# Altium PCB RF-BPF.PcbDoc (part 1 of 3)
Units mm, origin at the board's own origin, x right, y up, seen from the top; angles counter-clockwise.
Board outline 170 x 77.5 mm, 2 copper layers (Top Layer, Top, Bottom Layer, Bottom), stack 1.671 mm thick; 222 components, 128 nets, 706 pads, 1611 vias.
Unrouted connection lines stored in the file: 29.
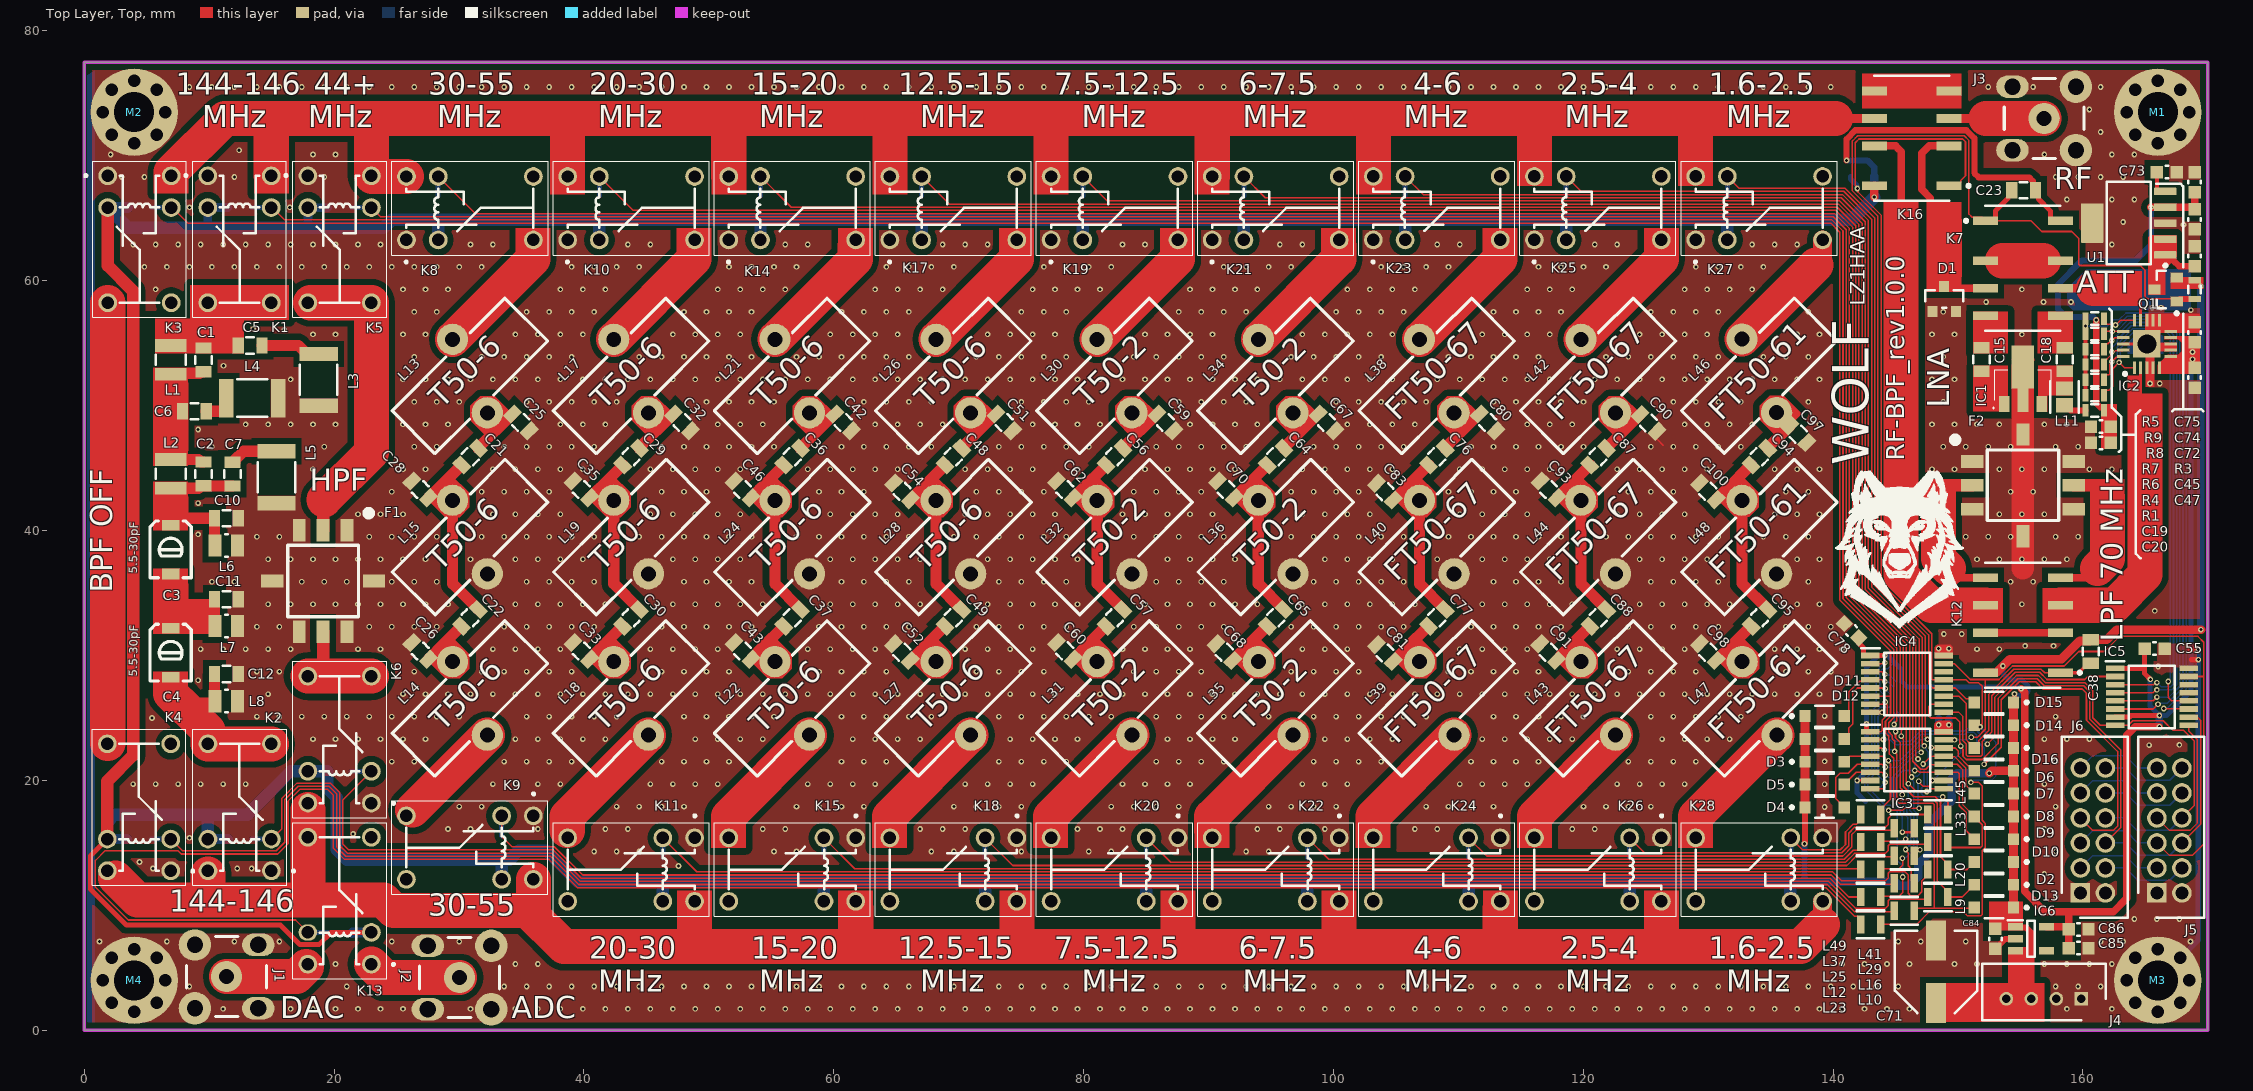
[diagram p0: Top Layer, Top view]
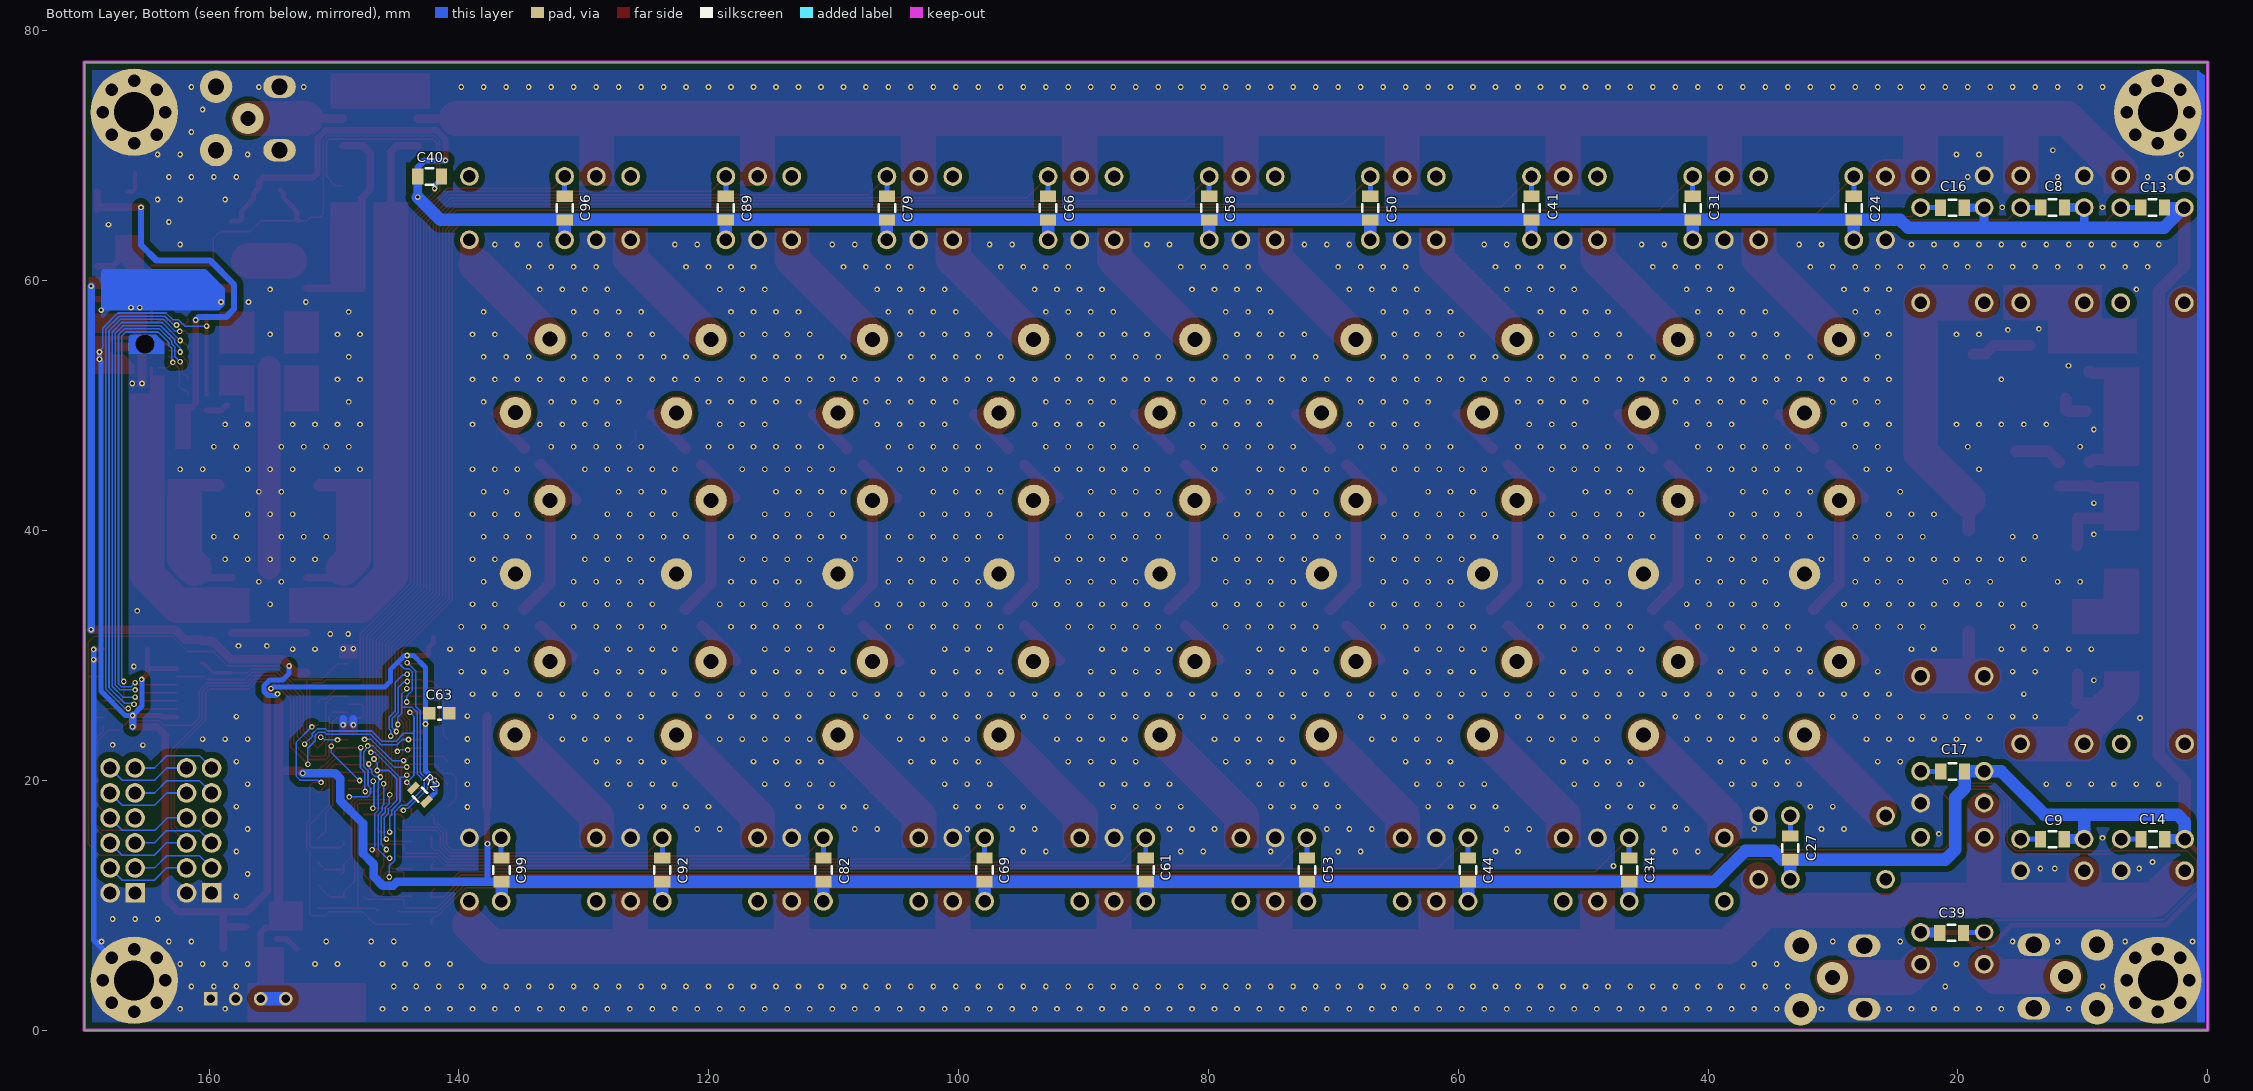
[diagram p1: Bottom Layer, Bottom view, seen from below]
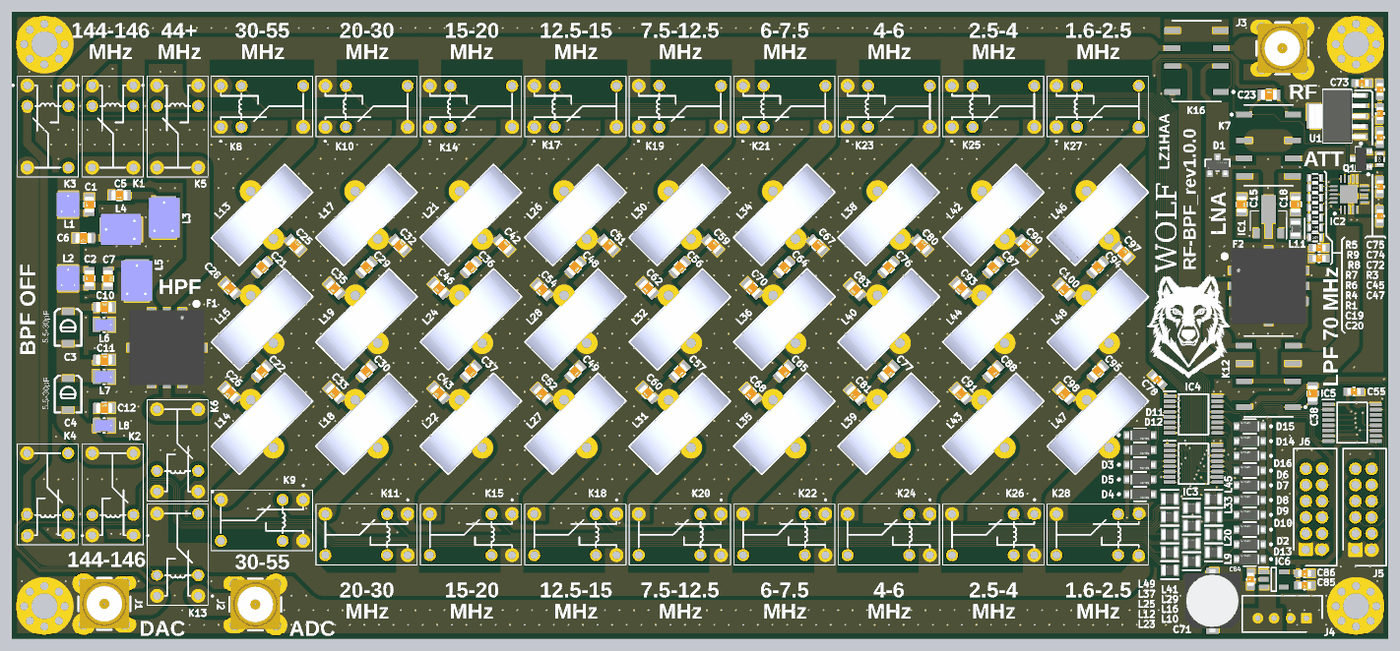
[diagram p4: 3D render of the assembled board from above, using the file's embedded part models]
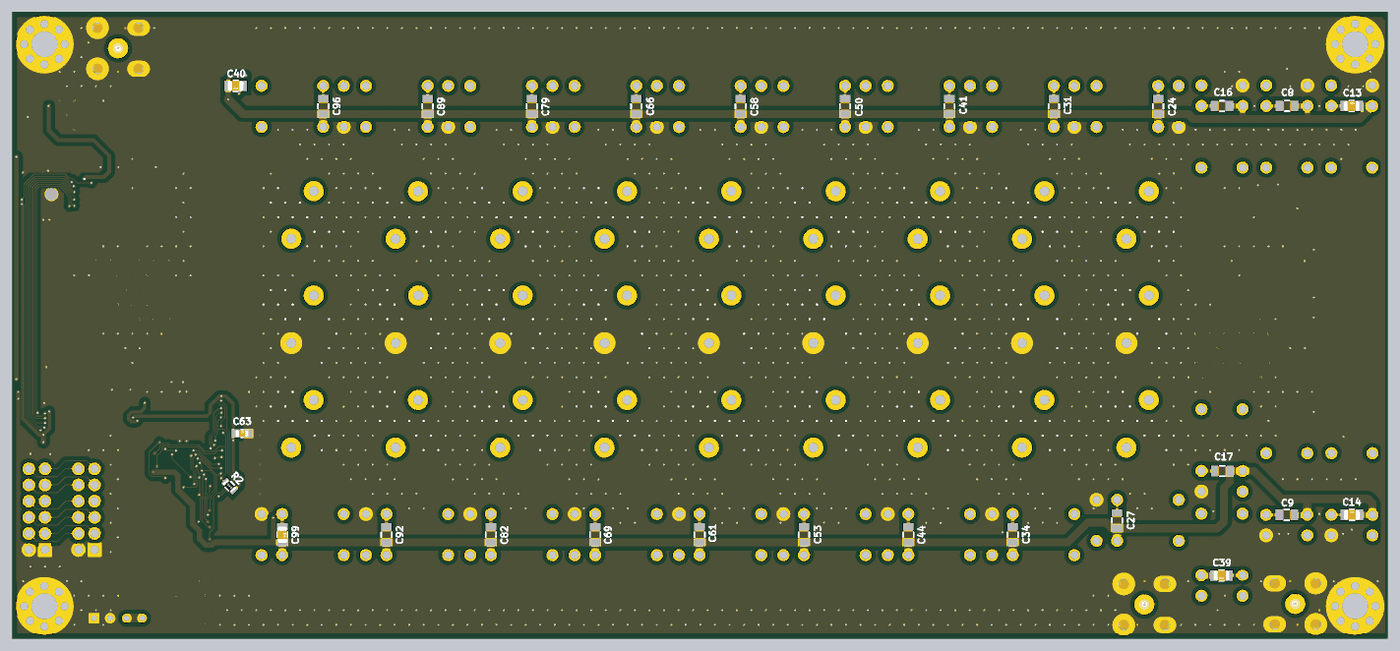
[diagram p5: 3D render of the assembled board from below, using the file's embedded part models]

## Layer stack, top to bottom
Top Solder, Top Mask: solder mask 0.0102, Solder Resist, Dk 3.5
Top Layer, Top: signal copper 0.0356
Dielectric 1: dielectric 1.6, FR-4, Dk 4.8
Bottom Layer, Bottom: signal copper 0.0356
Bottom Solder, Bot Mask: solder mask 0.0102, Solder Resist, Dk 3.5

## Board outline
0,0 0,77.5 170,77.5 170,0

## Design rules (kind name [scope] priority, off if disabled: settings)
Clearance Clearance_Poly [InPoly] p1: gap=0.5 ignorepadtopadclearanceinfootprint=FALSE
Clearance [All] p2: gap=0.127 ignorepadtopadclearanceinfootprint=FALSE
HoleSize [All] p1: absolutevalues=TRUE maxlimit=10 minlimit=0.025 maxpercent=80.000 minpercent=20.000
HoleToHoleClearance [All] p1: gap=0.2 allowstackedmicrovias=TRUE
MinimumSolderMaskSliver [All] p1: minsoldermaskwidth=0
PolygonConnect [All] p1: connectstyle=Direct reliefconductorwidth=0.254 reliefentries=4 polygonreliefangle="90 Angle" airgapwidth=0.254
ReturnPath [InNetClass('RF_SIGNAL_50ohm')] p1: impedanceprofileid={9F3362E4-BBA3-4DC3-A493-6D211F78E066} _gaplimit=0 _useantipads=TRUE
RoutingVias [All] p1: holewidth=0.25 width=0.45 viastyle="Through Hole" minholewidth=0.25 minwidth=0.45 maxholewidth=0.711 maxwidth=1.27
SilkToSilkClearance [All] p1: silktosilkclearance=0.2
SilkToSolderMaskClearance [IsPad] p1: minsilkscreentomaskgap=0.1 clearancetoexposedcopper=TRUE
SolderMaskExpansion [All] p1: expansion=0.102 istentingtop=FALSE
Width "Schematic Width Constraint_1" [InNetClass('RF_SIGNAL_50ohm')] p1: maxlimit=2.814 minlimit=0.127 preferedwidth=2.814 impedanceprofiledriven=TRUE impedanceprofileid={9F3362E4-BBA3-4DC3-A493-6D211F78E066} impedanceprofilevalue=50.000000 minimp=50.000000 maximp=50.000000 favimp=50.000000
Width [All] p2: maxlimit=5 minlimit=0.127 preferedwidth=0.127
25 further rules are at their usual default settings.

## Classes and differential pairs
net class RF_SIGNAL_50ohm: ADC BPF_IN BPF_OUT DAC NetC1_2 NetC4_2 NetC15_1 NetC15_2 NetC18_1 NetC18_2 NetD1_3 NetF1_2 NetF1_6 NetF2_2 NetF2_6 NetIC2_2 NetIC2_14 NetJ3_5 NetK3_5 NetK7_2 NetK8_5 NetK9_5 NetK10_5 NetK11_5 NetK12_2 NetK12_6 NetK14_5 NetK15_5 NetK16_4 NetK17_5 NetK18_5 NetK19_5 NetK20_5 NetK21_5 NetK22_5 NetK23_5 NetK24_5 NetK25_5 NetK26_5 NetK27_5 NetK28_5

## Components (designator, comment, footprint, x,y, rotation, side; value= is the part's Value field where it differs from the comment)
C1 "110pF NP0" C-0805 9.55,53.675 r90 top
C2 "110pF NP0" C-0805 9.55,44.55 r90 top
C3 "5.5-30pF" CAP-ADJ-SMD_L4.5-W3.2-L 6.925,38.475 r90 top
C4 "5.5-30pF" CAP-ADJ-SMD_L4.5-W3.2-L 6.925,30.225 r90 top
C5 "8pF NP0" C-0805 13.275,54.825 r180 top
C6 "15pF NP0" C-0805 8.825,49.55 r180 top
C7 "8pF NP0" C-0805 11.875,44.525 r270 top
C8 "100nF X7R" C-0805 12.425,65.875 r180 bottom
C9 "100nF X7R" C-0805 12.45,15.3 r180 bottom
C10 "120pF NP0" C-0805 11.375,41 r0 top
C11 "100pF NP0" C-0805 11.375,34.5 r0 top
C12 "120pF NP0" C-0805 11.375,28.525 r0 top
C13 "100nF X7R" C-0805 4.425,65.865 r180 bottom
C14 "100nF X7R" C-0805 4.4,15.3 r180 bottom
C15 "1nF NP0" C-0805 151.875,53.7 r270 top
C16 "100nF X7R" C-0805 20.45,65.85 r180 bottom
C17 "100nF X7R" C-0805 20.425,20.725 r180 bottom
C18 "1nF NP0" C-0805 158.55,53.7 r270 top
C19 "1nF X7R" C-0603 161.45,48.325 r0 top
C20 "100pF X7R" C-0603 161.45,47.025 r0 top
C21 "10pF NP0" C-0805 30.9,45.925 r225 top
C22 "10pF NP0" C-0805 30.88,33.025 r225 top
C23 "100nF X7R" C-0805 155.25,67.25 r0 top
C24 "100nF X7R" C-0805 28.34,65.825 r270 bottom
C25 "12pF NP0" C-0805 34.955,48.666 r315 top
C26 "12pF NP0" C-0805 26.9,30.372 r135 top
C27 "100nF X7R" C-0805 33.425,14.6 r270 bottom
C28 "12pF NP0" C-0805 26.9,43.3 r135 top
C29 "18pF NP0" C-0805 43.78,45.925 r225 top
C30 "18pF NP0" C-0805 43.78,33.025 r225 top
C31 "100nF X7R" C-0805 41.24,65.825 r270 bottom
C32 "27pF NP0" C-0805 47.855,48.666 r315 top
C33 "27pF NP0" C-0805 39.8,30.372 r135 top
C34 "100nF X7R" C-0805 46.32,12.85 r270 bottom
C35 "27pF NP0" C-0805 39.8,43.3 r135 top
C36 "22pF NP0" C-0805 56.68,45.925 r225 top
C37 "22pF NP0" C-0805 56.68,33.025 r225 top
C38 "100nF X7R" C-0805 160.625,30.325 r90 top
C39 "100nF X7R" C-0805 20.5,7.8 r0 bottom
C40 "100nF X7R" C-0805 142.35,68.35 r0 bottom
C41 "100nF X7R" C-0805 54.14,65.825 r270 bottom
C42 "47pF NP0" C-0805 60.755,48.666 r315 top
C43 "47pF NP0" C-0805 52.7,30.372 r135 top
C44 "100nF X7R" C-0805 59.22,12.85 r270 bottom
C45 "100nF X7R" C-0603 168.95,55.875 r90 top
C46 "47pF NP0" C-0805 52.7,43.3 r135 top
C47 "100pF X7R" C-0603 168.95,52.25 r270 top
C48 "18pF NP0" C-0805 69.58,45.925 r225 top
C49 "18pF NP0" C-0805 69.58,33.025 r225 top
C50 "100nF X7R" C-0805 67.04,65.825 r270 bottom
C51 "56pF NP0" C-0805 73.655,48.666 r315 top
C52 "56pF NP0" C-0805 65.453,30.272 r135 top
C53 "100nF X7R" C-0805 72.12,12.85 r270 bottom
C54 "47pF NP0" C-0805 65.475,43.15 r135 top
C55 "100nF X7R" C-0603 165.75,30.55 r0 top
C56 "56pF NP0" C-0805 82.48,45.925 r225 top
C57 "56pF NP0" C-0805 82.48,33.025 r225 top
C58 "100nF X7R" C-0805 79.94,65.825 r270 bottom
C59 "75pF NP0" C-0805 86.555,48.666 r315 top
C60 "75pF NP0" C-0805 78.5,30.375 r135 top
C61 "100nF X7R" C-0805 85.02,12.85 r270 bottom
C62 "68pF NP0" C-0805 78.5,43.3 r135 top
C63 "100nF X7R" C-0603 141.575,25.375 r180 bottom
C64 "33pF NP0" C-0805 95.38,45.925 r225 top
C65 "33pF NP0" C-0805 95.38,33.025 r225 top
C66 "100nF X7R" C-0805 92.84,65.825 r270 bottom
C67 "100pF NP0" C-0805 99.455,48.666 r315 top
C68 "100pF NP0" C-0805 91.275,30.275 r135 top
C69 "100nF X7R" C-0805 97.92,12.85 r270 bottom
C70 "82pF NP0" C-0805 91.4,43.3 r135 top
C71 "EEE1EA220SP" EEE1AA101SP 148.25,4.675 r90 top
C72 "100nF X7R" C-0603 168.95,61.975 r270 top
C73 "100nF X7R" C-0603 166.725,68.7 r180 top
C74 "10uF X7R" C-0603 168.95,64.925 r90 top
C75 "100nF X7R" C-0603 168.95,67.9 r270 top
C76 "75pF NP0" C-0805 108.28,45.925 r225 top
C77 "75pF NP0" C-0805 108.28,33.025 r225 top
C78 "100nF X7R" C-0603 141.475,32 r135 top
C79 "100nF X7R" C-0805 105.74,65.825 r270 bottom
C80 "120pF NP0" C-0805 112.355,48.666 r315 top
C81 "120pF NP0" C-0805 104.125,30.2 r135 top
C82 "100nF X7R" C-0805 110.82,12.85 r270 bottom
C83 "100pF NP0" C-0805 104.128,43.122 r135 top
C84 "100nF X7R" C-0603 153,7.325 r90 top
C85 "10uF X7R" C-0603 159.65,6.575 r180 top
C86 "100nF X7R" C-0603 159.65,8.075 r180 top
C87 "120pF NP0" C-0805 121.191,45.925 r225 top
C88 "120pF NP0" C-0805 121.209,33.025 r225 top
C89 "100nF X7R" C-0805 118.635,65.825 r270 bottom
C90 "220pF NP0" C-0805 125.225,48.625 r315 top
C91 "220pF NP0" C-0805 117.2,30.275 r135 top
C92 "100nF X7R" C-0805 123.72,12.85 r270 bottom
C93 "180pF NP0" C-0805 117.229,43.3 r135 top
C94 "240pF NP0" C-0805 134.098,45.925 r225 top
C95 "240pF NP0" C-0805 134.115,33.025 r225 top
C96 "100nF X7R" C-0805 131.525,65.825 r270 bottom
C97 "390pF NP0" C-0805 137.225,47.725 r315 top
C98 "390pF NP0" C-0805 129.975,30.275 r135 top
C99 "100nF X7R" C-0805 136.6,12.85 r270 bottom
C100 "330pF NP0" C-0805 129.975,43.15 r135 top
D1 "BAV99LT1G" FP-318-08-MFG 148.9,58.55 r90 top
D2 "1N4148W-13-F" FP-SOD123-MFG 152.875,11.65 r180 top value=2pF
D3 "1N4148W-13-F" FP-SOD123-MFG 139.325,21.5 r0 top value=2pF
D4 "1N4148W-13-F" FP-SOD123-MFG 139.325,17.85 r0 top value=2pF
D5 "1N4148W-13-F" FP-SOD123-MFG 139.325,19.675 r0 top value=2pF
D6 "1N4148W-13-F" FP-SOD123-MFG 152.875,20.775 r180 top value=2pF
D7 "1N4148W-13-F" FP-SOD123-MFG 152.875,18.95 r180 top value=2pF
D8 "1N4148W-13-F" FP-SOD123-MFG 152.875,17.125 r180 top value=2pF
D9 "1N4148W-13-F" FP-SOD123-MFG 152.875,15.3 r180 top value=2pF
D10 "1N4148W-13-F" FP-SOD123-MFG 152.875,13.475 r180 top value=2pF
D11 "1N4148W-13-F" FP-SOD123-MFG 139.325,25.15 r0 top value=2pF
D12 "1N4148W-13-F" FP-SOD123-MFG 139.325,23.325 r0 top value=2pF
D13 "1N4148W-13-F" FP-SOD123-MFG 152.875,9.825 r180 top value=2pF
D14 "1N4148W-13-F" FP-SOD123-MFG 152.875,24.425 r180 top value=2pF
D15 "1N4148W-13-F" FP-SOD123-MFG 152.875,26.25 r180 top value=2pF
D16 "1N4148W-13-F" FP-SOD123-MFG 152.875,22.6 r180 top value=2pF
F1 "RHP-44+" GP731 19.125,35.975 r180 top
F2 "RLP-70+" GP731 155.2,43.625 r270 top
IC1 "PGA103+/SPF5189Z" SPF5189Z 155.2,51.623 r0 top
IC2 "PE4312C-Z" QFN50P400X400X90-21N-D 165.125,54.95 r90 top
IC3 "STPIC6C595TTR" SOP65P640X120-16N 145.925,21.625 r0 top
IC4 "STPIC6C595TTR" SOP65P640X120-16N 145.925,27.725 r0 top
IC5 "STPIC6C595TTR" SOP65P640X120-16N 165.525,26.7 r0 top
IC6 "TPS70933DBVR" SOT95P280X145-5N 155.85,7.325 r0 top
J1 "ADC" 31-5431#1 11.4,4.3 r90 top value=DAC
J2 "ADC" 31-5431#2 30.05,4.225 r270 top
J3 "ADC" 31-5431#2 156.9,73 r270 top value=RF_IN/OUT
J4 "B4B-PH-K-S_LF__SN_" SHDR4W50P0X200_1X4_990X450X600P 159.875,2.525 r0 top
J5 "DF11-12DP-2DSA_24_" SHDR12W60P200_2X6_1400X500X690P 165.925,11 r270 top
J6 "DF11-12DP-2DSA_24_" SHDR12W60P200_2X6_1400X500X690P 159.8,11 r270 top
K1 "G5V-1-DC12" G5V1DC12#1 12.113,63.325 r270 top
K2 "G5V-1-DC12" G5V1DC12#1 12.775,17.85 r90 top
K3 "G5V-1-DC12" G5V1DC12#1 4.1,63.325 r270 top
K4 "G5V-1-DC12" G5V1DC12#1 4.715,17.85 r90 top
K5 "G5V-1-DC12" G5V1DC12#1 20.125,63.325 r270 top
K6 "G5V-1-DC12" G5V1DC12#1 20.775,23.275 r90 top
K7 "2-1462037-3" TECO-2-1462037-3_V 155.2,61 r270 top
K8 "G5V-1-DC12" G5V1DC12#1 30.88,65.485 r0 top
K9 "G5V-1-DC12" G5V1DC12#1 30.875,14.95 r180 top
K10 "G5V-1-DC12" G5V1DC12#1 43.78,65.485 r0 top
K11 "G5V-1-DC12" G5V1DC12#1 43.78,13.189 r180 top
K12 "2-1462037-3" TECO-2-1462037-3_V 155.2,32.425 r90 top
K13 "G5V-1-DC12" G5V1DC12#2 20.775,10.375 r90 top
K14 "G5V-1-DC12" G5V1DC12#1 56.68,65.485 r0 top
K15 "G5V-1-DC12" G5V1DC12#1 56.68,13.189 r180 top
K16 "2-1462037-3" TECO-2-1462037-3_V 146.3,71.4 r90 top
K17 "G5V-1-DC12" G5V1DC12#1 69.58,65.485 r0 top
K18 "G5V-1-DC12" G5V1DC12#1 69.58,13.189 r180 top
K19 "G5V-1-DC12" G5V1DC12#1 82.48,65.485 r0 top
K20 "G5V-1-DC12" G5V1DC12#1 82.48,13.189 r180 top
K21 "G5V-1-DC12" G5V1DC12#1 95.38,65.485 r0 top
K22 "G5V-1-DC12" G5V1DC12#1 95.38,13.189 r180 top
K23 "G5V-1-DC12" G5V1DC12#1 108.28,65.489 r0 top
K24 "G5V-1-DC12" G5V1DC12#1 108.28,13.189 r180 top
K25 "G5V-1-DC12" G5V1DC12#1 121.175,65.489 r0 top
K26 "G5V-1-DC12" G5V1DC12#1 121.18,13.189 r180 top
K27 "G5V-1-DC12" G5V1DC12#1 134.08,65.489 r0 top
K28 "G5V-1-DC12" G5V1DC12#1 134.08,13.189 r180 top
L1 "RF_inductor" L-2520 6.925,53.675 r270 top
L2 "RF_inductor" L-2520 6.925,44.55 r270 top
L3 "RF_inductor" 3.81X3.43X4.95 18.775,52.075 r90 top
L4 "RF_inductor" 3.81X3.43X4.95 13.45,50.6 r180 top
L5 "RF_inductor" 3.81X3.43X4.95 15.4,44.275 r90 top
L6 "RF_inductor" L-0805 11.375,38.8 r180 top
L7 "RF_inductor" L-0805 11.375,32.375 r180 top
L8 "RF_inductor" L-0805 11.375,26.35 r180 top
L9 "CB2012T101K" FP-CB2012-MFG 148.4,10.675 r180 top
L10 "CB2012T101K" FP-CB2012-MFG 145.7,9.575 r180 top